# Altium PCB LimeSDR-X3_1v2.PcbDoc (part 12 of 25) (continued)
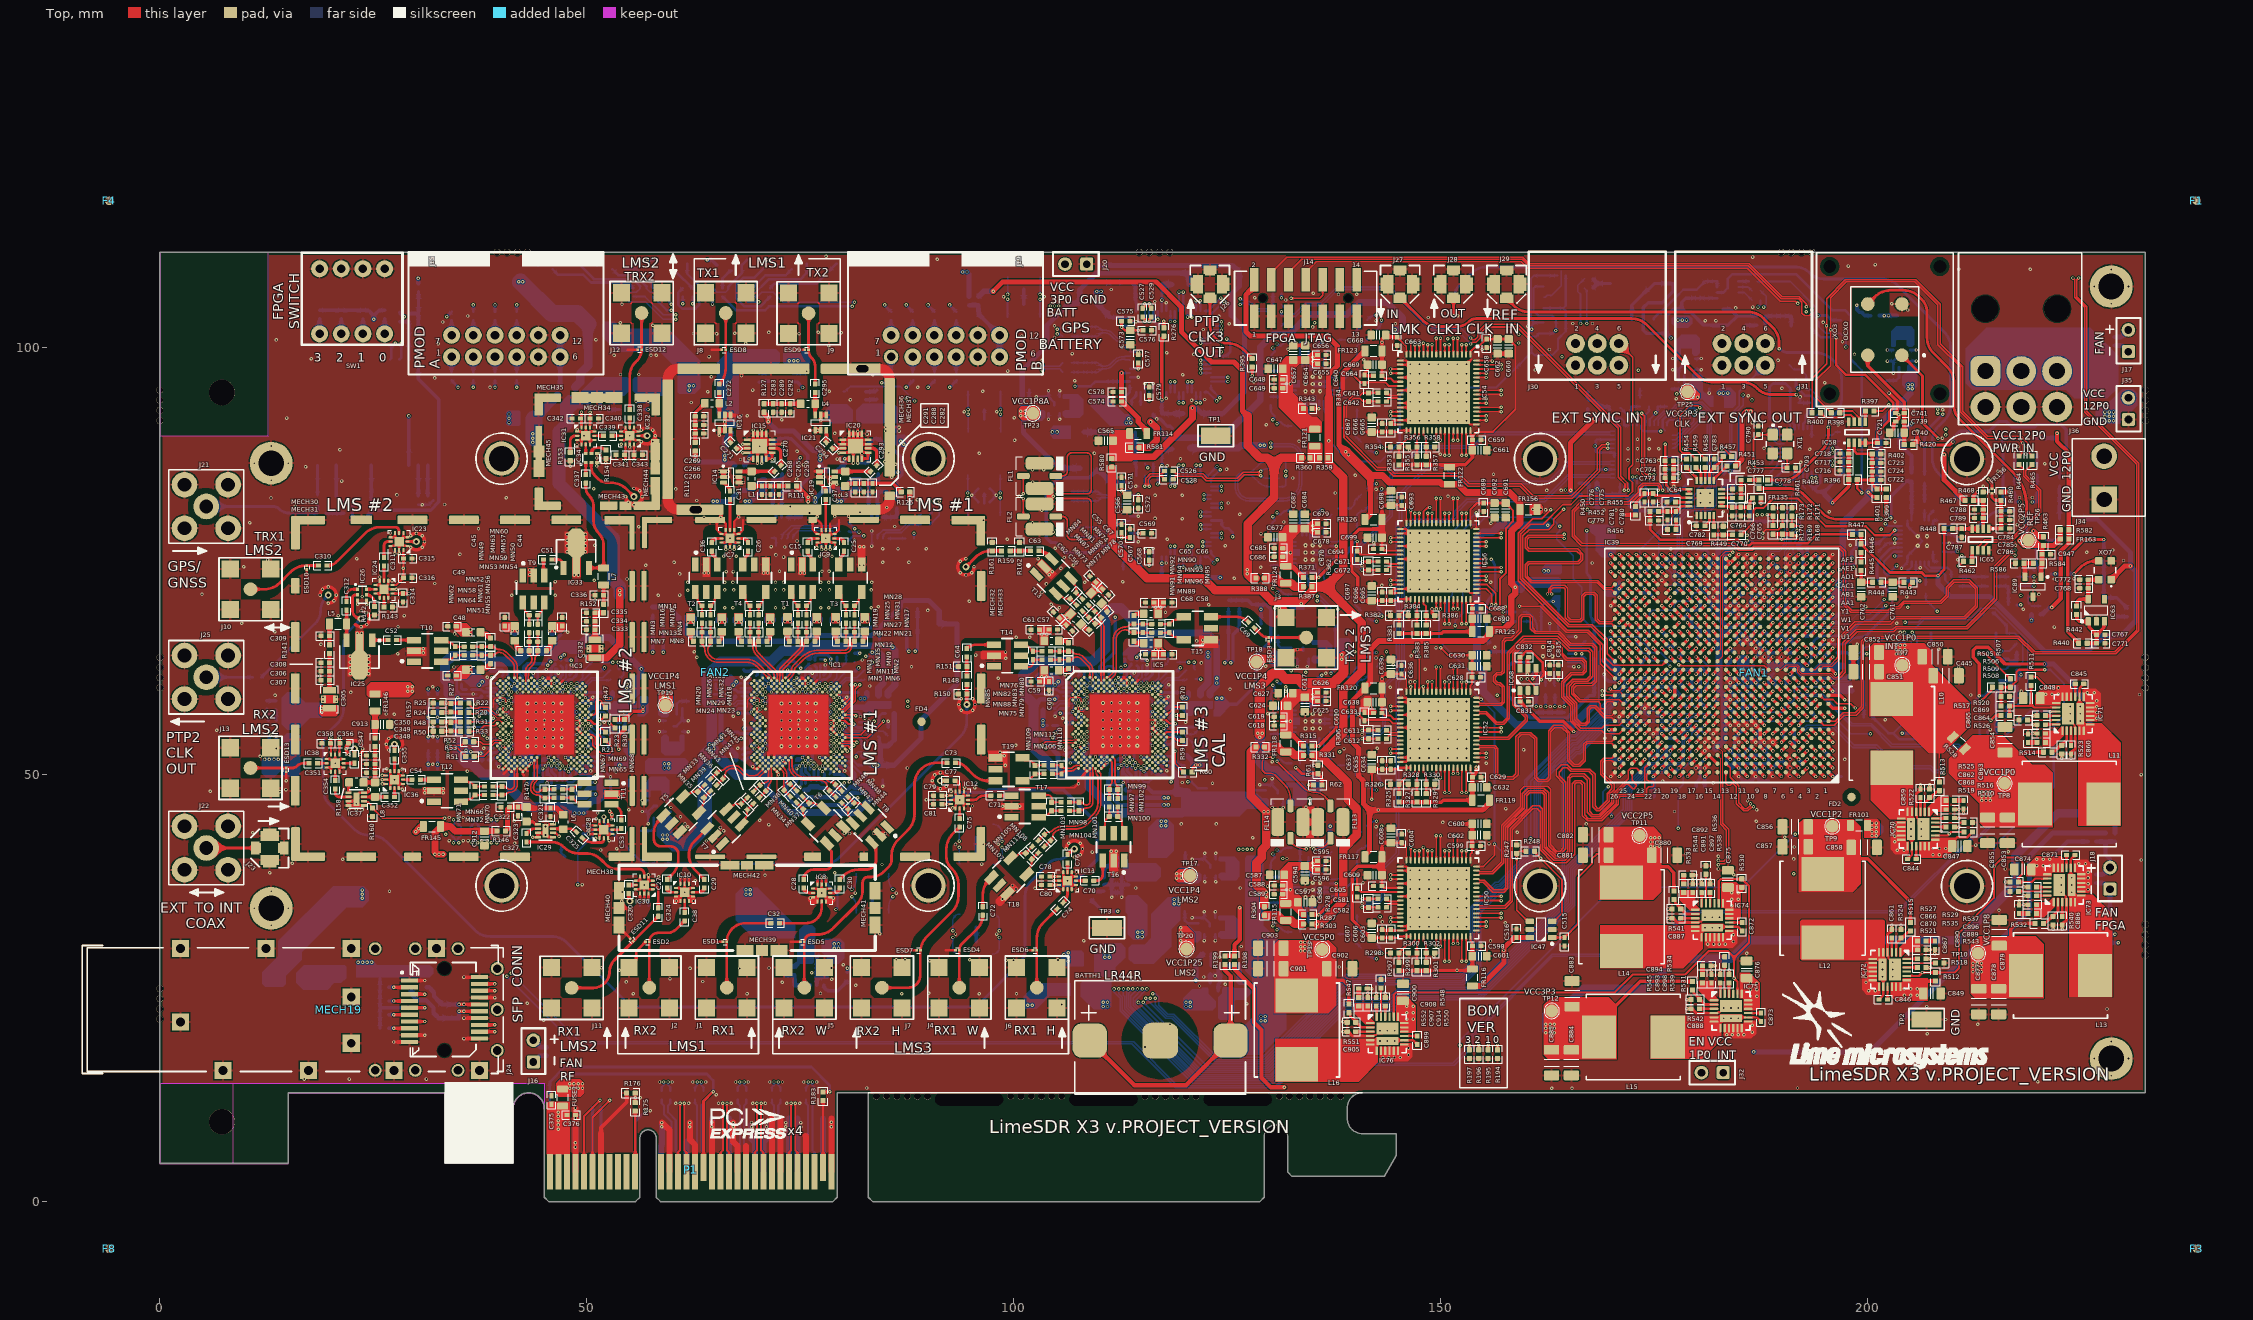
[diagram p0: Top view]
## Nets (pads, with @x,y where several pads share a name; then routed paths per layer and width w, separated by ;. In a path a pad name is that pad's centre, name@x,y a point inside that pad or via, vN(x,y) a via of type N, cw(c..) or ccw(c..) an arc to the next point about the centre after c; other vN are vias at no path point) (continued)
  L3 w0.1: v1(157.05,55) 157.079,55 157.229,55.15 158.383,55.15 158.7,55.467 158.7,56.558 157.883,57.375 155.217,57.375 154.884,57.041 154.484,57.041 154.275,57.25 154.275,57.949 153.6,58.624 153.6,59.225 153.75,59.375 154.775,59.375 155.125,59.025 155.125,58.626 155.576,58.175 156.975,58.175 157.375,58.575 157.967,58.575 159.667,56.875 160.3,56.875 160.575,57.15 165.008,57.15 165.875,58.017 165.875,59.25 166.1,59.475 166.475,59.475 166.675,59.275 166.675,57.867 166.967,57.575 168.594,57.575 169.194,58.175 174.475,58.175 v1(174.875,57.775)
LMS2_BB_ADC2_CLKOUT_P: IC39.K21 IC52.57 | length 40.5
  Top w0.2: IC52.57@154.15,55.5 v1(157.05,55.5)
  Top w0.4: v1(174.875,58.775) IC39.K21@175.375,59.275
  L3 w0.1: v1(157.05,55.5) 157.079,55.5 157.229,55.35 158.3,55.35 158.5,55.55 158.5,56.475 157.8,57.175 155.3,57.175 154.966,56.841 154.401,56.841 154.075,57.167 154.075,57.866 153.4,58.541 153.4,59.308 153.667,59.575 154.858,59.575 155.325,59.108 155.325,58.709 155.659,58.375 156.892,58.375 157.292,58.775 158.05,58.775 159.75,57.075 160.217,57.075 160.492,57.35 164.925,57.35 165.675,58.1 165.675,59.333 166.017,59.675 166.558,59.675 166.875,59.358 166.875,57.95 167.05,57.775 168.512,57.775 169.112,58.375 174.475,58.375 v1(174.875,58.775)
LMS2_BB_ADC2_CTRL1: IC52.35 R325.1 R326.2 | length 4.1
  Top w0.24: R325.1@145.075,47.775 R326.2@145.075,48.875 146,49.8 146.425,49.8 146.95,50.325 IC52.35@146.95,50.8
LMS2_BB_ADC2_CTRL2: IC52.36 R327.1 R328.2 | length 3.1
  Top w0.24: R327.1@147.175,47.775 R328.2@147.175,48.875 147.175,49.975 147.45,50.25 IC52.36@147.45,50.8
LMS2_BB_ADC2_CTRL3: IC52.37 R329.1 R330.2 | length 3.2
  Top w0.24: IC52.37@147.95,50.8 147.95,50.275 148.275,49.95 R330.2@148.275,48.875 R329.1@148.275,47.775
LMS2_BB_ADC2_DA0_N: IC39.D25 IC52.40 | length 41.2
  Top w0.2: v1(149.45,49.65) IC52.40@149.45,50.8
  Top w0.4: v1(170.875,52.775) IC39.D25@171.375,53.275
  L3 w0.1: v1(149.45,49.65) 149.45,49.621 149.6,49.471 149.6,49.316 149.084,48.8 147.692,48.8 145.892,48.8 145.25,48.158 145.25,45.842 146.492,44.6 147.908,44.6 148.25,44.942 148.25,46.317 150.833,48.9 153.533,48.9 154.883,47.55 159.592,47.55 164.142,52.1 169.149,52.1 170.224,53.175 170.475,53.175 v1(170.875,52.775)
LMS2_BB_ADC2_DA0_P: IC39.E25 IC52.41 | length 40.8
  Top w0.2: v1(149.95,49.65) IC52.41@149.95,50.8
  Top w0.4: v1(170.875,53.775) IC39.E25@171.375,54.275
  L3 w0.1: v1(149.95,49.65) 149.95,49.621 149.8,49.471 149.8,49.233 149.167,48.6 147.775,48.6 145.975,48.6 145.45,48.075 145.45,45.925 146.575,44.8 147.825,44.8 148.05,45.025 148.05,46.4 150.75,49.1 153.616,49.1 154.966,47.75 159.509,47.75 164.059,52.3 169.066,52.3 170.141,53.375 170.475,53.375 v1(170.875,53.775)
LMS2_BB_ADC2_DA1_N: IC39.K17 IC52.42 | length 41.1
  Top w0.2: v1(150.45,47.9) IC52.42@150.45,50.8
  Top w0.4: v1(178.875,58.775) IC39.K17@179.375,59.275
  L3 w0.1: v1(150.45,47.9) 150.45,47.929 150.6,48.079 150.6,48.384 150.916,48.7 151.5,48.7 152.075,48.125 152.075,47.783 152.1,47.758 152.1,47.755 152.305,47.55 152.308,47.55 152.908,46.95 160.625,46.95 165.091,51.416 171.034,51.416 171.325,51.708 171.325,52.003 171.747,52.425 173.02,52.425 173.269,52.674 173.269,52.947 173.659,53.337 173.932,53.337 174.225,53.63 174.225,53.958 174.692,54.425 175.02,54.425 175.225,54.63 175.225,55.017 175.583,55.375 177.97,55.375 178.238,55.643 178.238,55.916 178.647,56.325 178.92,56.325 179.275,56.68 179.275,58.375 v1(178.875,58.775)
LMS2_BB_ADC2_DA1_P: IC39.K16 IC52.43 | length 41.1
  Top w0.2: v1(150.95,47.9) IC52.43@150.95,50.8
  Top w0.4: v1(179.875,58.775) IC39.K16@180.375,59.275
  L3 w0.1: v1(150.95,47.9) 150.95,47.929 150.8,48.079 150.8,48.301 150.999,48.5 151.417,48.5 151.875,48.042 151.875,47.7 151.9,47.675 151.9,47.672 152.222,47.35 152.225,47.35 152.825,46.75 160.708,46.75 165.174,51.216 171.116,51.216 171.525,51.625 171.525,51.92 171.83,52.225 173.103,52.225 173.469,52.591 173.469,52.864 173.742,53.137 174.015,53.137 174.425,53.547 174.425,53.875 174.775,54.225 175.103,54.225 175.425,54.547 175.425,54.934 175.666,55.175 178.053,55.175 178.438,55.56 178.438,55.833 178.73,56.125 179.003,56.125 179.475,56.597 179.475,58.375 v1(179.875,58.775)
LMS2_BB_ADC2_DA2_N: IC39.E23 IC52.44 | length 41
  Top w0.2: v1(151.45,50.125) IC52.44@151.45,50.8
  Top w0.4: v1(172.875,53.775) IC39.E23@173.375,54.275
  L3 w0.1: v1(151.45,50.125) 151.45,50.096 151.6,49.946 151.6,49.642 151.867,49.375 151.942,49.3 153.699,49.3 155.049,47.95 159.426,47.95 159.975,48.499 159.975,49.05 159.45,49.575 155.45,49.575 155.325,49.7 155.325,50.392 155.583,50.65 162.126,50.65 162.8,51.324 162.8,52.208 162.533,52.475 161.775,52.475 161.5,52.75 161.5,53.275 161.8,53.575 162.942,53.575 164.017,52.5 168.983,52.5 170.658,54.175 172.475,54.175 v1(172.875,53.775)
LMS2_BB_ADC2_DA2_P: IC39.F23 IC52.45 | length 40.7
  Top w0.2: v1(151.95,50.125) IC52.45@151.95,50.8
  Top w0.4: v1(172.875,54.775) IC39.F23@173.375,55.275
  L3 w0.1: v1(151.95,50.125) 151.95,50.096 151.8,49.946 151.8,49.725 152.025,49.5 153.781,49.5 155.131,48.15 159.344,48.15 159.775,48.581 159.775,48.967 159.367,49.375 155.367,49.375 155.125,49.617 155.125,50.475 155.5,50.85 155.814,50.85 159.5,50.85 162.044,50.85 162.6,51.406 162.6,52.125 162.45,52.275 161.692,52.275 161.309,52.659 161.3,52.667 161.3,53.358 161.717,53.775 163.025,53.775 164.1,52.7 168.9,52.7 170.575,54.375 172.475,54.375 v1(172.875,54.775)
LMS2_BB_ADC2_DA3_N: IC39.H19 IC52.46 | length 40
  Top w0.2: v1(152.45,47.9) IC52.46@152.45,50.8
  Top w0.4: v1(176.875,56.775) IC39.H19@177.375,57.275
  L3 w0.1: v1(152.45,47.9) 152.45,47.929 152.6,48.079 152.6,48.425 152.875,48.7 153.45,48.7 154.041,48.109 154.041,47.542 154.233,47.35 159.592,47.35 160.459,47.35 161.15,48.041 161.15,48.825 161.525,49.2 162.309,49.2 162.55,49.441 162.55,50.225 162.875,50.55 163.659,50.55 163.85,50.741 163.85,51.525 164.225,51.9 169.66,51.9 170.16,52.4 171.017,52.4 171.275,52.658 171.275,53.008 171.642,53.375 172.97,53.375 173.225,53.63 173.225,54.083 173.542,54.4 173.995,54.4 174.25,54.655 174.25,54.983 174.617,55.35 174.992,55.35 175.275,55.633 175.275,55.9 174.9,56.275 173.75,56.275 173.525,56.5 173.525,57.2 173.7,57.375 175.85,57.375 176.45,56.775 v1(176.875,56.775)
LMS2_BB_ADC2_DA3_P: IC39.J19 IC52.47 | length 39.8
  Top w0.2: v1(152.95,47.9) IC52.47@152.95,50.8
  Top w0.4: v1(176.875,57.775) IC39.J19@177.375,58.275
  L3 w0.1: v1(152.95,47.9) 152.95,47.929 152.8,48.079 152.8,48.342 152.958,48.5 153.367,48.5 153.841,48.026 153.841,47.459 154.15,47.15 155.517,47.15 158.95,47.15 159.758,47.15 160.542,47.15 161.35,47.958 161.35,48.742 161.608,49 162.392,49 162.75,49.358 162.75,50.142 162.958,50.35 163.742,50.35 164.05,50.658 164.05,51.442 164.308,51.7 169.743,51.7 170.243,52.2 171.1,52.2 171.475,52.575 171.475,52.925 171.725,53.175 173.053,53.175 173.425,53.547 173.425,54 173.625,54.2 174.078,54.2 174.45,54.572 174.45,54.675 174.45,54.9 174.7,55.15 175.075,55.15 175.475,55.55 175.475,55.877 175.723,56.125 177.72,56.125 178.525,56.93 178.525,57.62 178.02,58.125 177.225,58.125 v1(176.875,57.775)
LMS2_BB_ADC2_DA4_N: IC39.F24 IC52.50 | length 40.5
  Top w0.2: IC52.50@154.15,52 v1(155.3,52)
  Top w0.4: v1(171.875,54.775) IC39.F24@172.375,55.275
  L3 w0.1: v1(155.3,52) 155.329,52 155.479,52.15 155.996,52.15 157.071,51.075 161.058,51.075 161.45,51.467 161.45,52.058 161.108,52.4 157.575,52.4 157.2,52.775 157.2,53.075 157.5,53.375 160.933,53.375 161.325,53.767 161.325,54.433 161.008,54.75 160.625,54.75 160.45,54.925 160.45,55.234 160.991,55.775 163.675,55.775 163.975,55.475 163.975,53.342 164.267,53.05 164.642,53.05 166.933,53.05 167.175,53.292 167.175,55.675 167.275,55.775 168.1,55.775 168.2,55.675 168.2,53.467 168.517,53.15 169.067,53.15 171.092,55.175 171.475,55.175 v1(171.875,54.775)
LMS2_BB_ADC2_DA4_P: IC39.G24 IC52.51 | length 40.5
  Top w0.2: IC52.51@154.15,52.5 v1(155.3,52.5)
  Top w0.4: v1(171.875,55.775) IC39.G24@172.375,56.275
  L3 w0.1: v1(155.3,52.5) 155.329,52.5 155.479,52.35 155.996,52.35 156.079,52.35 157.154,51.275 160.975,51.275 161.25,51.55 161.25,51.975 161.025,52.2 157.492,52.2 157.209,52.484 157.059,52.634 157,52.692 157,53.158 157.417,53.575 160.85,53.575 161.125,53.85 161.125,54.35 160.925,54.55 160.542,54.55 160.25,54.842 160.25,55.317 160.908,55.975 163.758,55.975 164.175,55.558 164.175,53.425 164.35,53.25 166.85,53.25 166.975,53.375 166.975,55.758 167.192,55.975 168.183,55.975 168.4,55.758 168.4,53.55 168.6,53.35 168.984,53.35 171.009,55.375 171.475,55.375 v1(171.875,55.775)
LMS2_BB_ADC2_DA5_N: IC39.D26 IC52.52 | length 41.1
  Top w0.15: IC52.52@154.15,53 154.413,53 154.538,53.125 156.25,53.125 156.425,52.95 156.425,49.95 156.9,49.475 158.495,49.475 159.025,50.005 159.025,54.3 159.4,54.675 160.425,54.675 160.975,54.125 160.975,49.575 161.4,49.15 162.425,49.15 162.875,49.6 162.875,55.046 163.329,55.5 164.146,55.5 164.825,54.821 164.825,51.625 165.5,50.95 166.25,50.95 166.925,51.625 166.925,53.425 167.15,53.65 170,53.65 IC39.D26@170.375,53.275
LMS2_BB_ADC2_DA5_P: IC39.E26 IC52.53 | length 41.1
  Top w0.15: IC52.53@154.15,53.5 154.413,53.5 154.538,53.375 156.354,53.375 156.675,53.054 156.675,50.054 157.004,49.725 158.391,49.725 158.775,50.109 158.775,54.404 159.296,54.925 160.529,54.925 161.225,54.229 161.225,49.679 161.504,49.4 162.321,49.4 162.625,49.704 162.625,55.15 163.225,55.75 164.25,55.75 165.075,54.925 165.075,51.729 165.604,51.2 166.146,51.2 166.675,51.729 166.675,53.529 167.046,53.9 170,53.9 IC39.E26@170.375,54.275
LMS2_BB_ADC2_DA6_N: IC39.F25 IC52.54 | length 41.4
  Top w0.15: IC52.54@154.15,54 154.413,54 154.538,54.125 157.929,54.125 160.1,56.296 160.1,56.825 158.65,58.275 158.65,64.096 159.929,65.375 163.271,65.375 163.949,64.697 163.949,64.126 164.7,63.375 166.496,63.375 166.775,63.096 166.775,62.204 166.521,61.95 165.221,61.95 164.125,60.854 164.125,59.071 165.175,58.021 165.175,56.221 166.246,55.15 168.825,55.15 169.2,54.775 170.875,54.775 IC39.F25@171.375,55.275
LMS2_BB_ADC2_DA6_P: IC39.G25 IC52.55 | length 41.4
  Top w0.15: IC52.55@154.15,54.5 154.413,54.5 154.538,54.375 157.825,54.375 159.85,56.4 159.85,56.721 158.4,58.171 158.4,64.2 159.825,65.625 163.375,65.625 164.199,64.801 164.199,64.229 164.804,63.625 166.6,63.625 167.025,63.2 167.025,62.1 166.625,61.7 165.325,61.7 164.375,60.75 164.375,59.175 165.425,58.125 165.425,56.325 166.35,55.4 168.825,55.4 169.2,55.775 170.875,55.775 IC39.G25@171.375,56.275
LMS2_BB_ADC2_DB0_N: IC39.G26 IC52.60 | length 40.8
  Top w0.15: IC52.60@154.15,57 154.413,57 154.538,57.125 155.225,57.125 156.45,55.9 157.325,55.9 158,56.575 158,64.171 159.754,65.925 163.571,65.925 164.971,64.525 167.271,64.525 167.5,64.296 167.5,61.6 167.075,61.175 165.45,61.175 164.75,60.475 164.75,59.154 165.675,58.229 165.675,56.429 166.325,55.779 166.982,55.779 167.375,56.171 167.375,57.583 167.596,57.804 167.996,57.804 169.15,56.65 170,56.65 IC39.G26@170.375,56.275
LMS2_BB_ADC2_DB0_P: IC39.H26 IC52.61 | length 40.8
  Top w0.15: IC52.61@154.15,57.5 154.413,57.5 154.538,57.375 155.329,57.375 156.554,56.15 157.221,56.15 157.75,56.679 157.75,64.275 159.65,66.175 163.675,66.175 165.075,64.775 167.375,64.775 167.75,64.4 167.75,61.496 167.179,60.925 165.554,60.925 165,60.371 165,59.257 165.925,58.332 165.925,56.532 166.429,56.029 166.879,56.029 167.125,56.275 167.125,57.687 167.492,58.054 168.099,58.054 169.254,56.9 170,56.9 IC39.H26@170.375,57.275
LMS2_BB_ADC2_DB1_N: IC39.J26 IC52.62 | length 41.2
  Top w0.15: IC52.62@154.15,58 154.413,58 154.538,58.125 154.75,58.125 157.079,58.125 157.4,58.446 157.4,60.304 156.954,60.75 156.625,60.75 156.35,61.025 156.35,61.421 156.618,61.689 157.081,61.689 157.4,62.008 157.4,65.521 157.629,65.75 158.329,65.75 159.375,66.796 159.375,68.325 159.575,68.525 160.29,68.525 160.475,68.34 160.475,67.064 161.014,66.525 163.721,66.525 165.096,65.15 167.671,65.15 168,64.821 168,61.05 167.625,60.675 165.746,60.675 165.3,60.229 165.3,59.446 166.221,58.525 168.45,58.525 168.65,58.325 168.65,57.875 168.8,57.725 169.15,57.725 169.3,57.875 169.3,58.325 169.5,58.525 170.112,58.525 170.362,58.275 IC39.J26@170.375,58.275
LMS2_BB_ADC2_DB1_P: IC39.J25 IC52.63 | length 41.1
  Top w0.15: IC52.63@154.15,58.5 154.413,58.5 154.538,58.375 154.854,58.375 156.975,58.375 157.15,58.55 157.15,60.2 156.85,60.5 156.521,60.5 156.1,60.921 156.1,61.525 156.514,61.939 156.978,61.939 ; 156.989,61.95 157.15,62.111 157.15,65.625 157.525,66 158.225,66 159.125,66.9 159.125,68.429 159.471,68.775 160.393,68.775 160.725,68.443 160.725,67.167 161.117,66.775 163.825,66.775 165.2,65.4 167.775,65.4 168.25,64.925 168.25,60.947 167.728,60.425 165.85,60.425 165.55,60.125 165.55,59.55 166.325,58.775 170.875,58.775 IC39.J25@171.375,58.275
LMS2_BB_ADC2_DB2_N: IC39.H24 IC52.2 | length 40.7
  Top w0.2: IC52.2@152.95,59.7 v1(152.95,60.85)
  Top w0.4: v1(171.875,56.775) IC39.H24@172.375,57.275
  L3 w0.1: v1(152.95,60.85) 152.95,60.879 152.8,61.029 152.8,61.975 152.975,62.15 153.444,62.15 153.663,61.931 153.663,61.187 154.225,60.625 154.225,60.2 154.025,60 151.542,60 151.225,59.683 151.225,57.142 151.592,56.775 152.1,56.775 152.525,57.2 152.525,57.75 152.7,57.925 153.45,57.925 153.675,57.7 153.675,55.825 154.234,55.266 154.849,55.266 155.2,55.617 155.2,56.417 155.558,56.775 156.475,56.775 156.625,56.625 156.625,56.075 156.05,55.5 156.05,54.967 156.567,54.45 158.534,54.45 160.784,56.7 165.683,56.7 166.158,57.175 171.475,57.175 v1(171.875,56.775)
LMS2_BB_ADC2_DB2_P: IC39.J24 IC52.3 | length 41.1
  Top w0.2: IC52.3@152.45,59.7 v1(152.45,60.85)
  Top w0.4: v1(171.875,57.775) IC39.J24@172.375,58.275
  L3 w0.1: v1(152.45,60.85) 152.45,60.879 152.6,61.029 152.6,61.244 152.6,62.058 152.892,62.35 153.526,62.35 153.863,62.013 153.863,61.27 154.425,60.708 154.425,60.117 154.108,59.8 151.625,59.8 151.425,59.6 151.425,57.225 151.675,56.975 152.017,56.975 152.325,57.283 152.325,57.833 152.617,58.125 153.533,58.125 153.875,57.783 153.875,55.908 154.316,55.466 154.766,55.466 155,55.7 155,56.5 155.475,56.975 156.558,56.975 156.825,56.708 156.825,55.992 156.25,55.417 156.25,55.05 156.65,54.65 158.451,54.65 160.701,56.9 161.275,56.9 165.6,56.9 166.075,57.375 171.475,57.375 v1(171.875,57.775)
LMS2_BB_ADC2_DB3_N: IC39.H18 IC52.4 | length 40.7
  Top w0.2: IC52.4@151.95,59.7 v1(151.95,62.6)
  Top w0.4: v1(177.875,56.775) IC39.H18@178.375,57.275
  L3 w0.1: v1(151.95,62.6) 151.95,62.629 151.8,62.779 151.8,63.358 151.05,64.108 151.05,64.542 151.458,64.95 151.775,64.95 156.8,59.925 164.549,59.925 165.399,60.775 166.675,60.775 167.25,60.2 167.808,60.2 168.383,60.775 170.05,60.775 170.625,60.2 177.05,60.2 177.325,59.925 177.325,59.575 177.075,59.325 176.647,59.325 176.225,58.903 176.225,57.592 176.642,57.175 177.475,57.175 v1(177.875,56.775)
LMS2_BB_ADC2_DB3_P: IC39.J18 IC52.5 | length 41
  Top w0.2: IC52.5@151.45,59.7 v1(151.45,62.6)
  Top w0.4: v1(177.875,57.775) IC39.J18@178.375,58.275
  L3 w0.1: v1(151.45,62.6) 151.45,62.629 151.6,62.779 151.6,63.133 151.6,63.275 150.85,64.025 150.85,64.625 151.375,65.15 151.858,65.15 156.883,60.125 164.466,60.125 165.316,60.975 166.758,60.975 167.333,60.4 167.725,60.4 168.3,60.975 170.133,60.975 170.708,60.4 177.133,60.4 177.525,60.008 177.525,59.492 177.158,59.125 176.73,59.125 176.425,58.82 176.425,57.675 176.725,57.375 177.475,57.375 v1(177.875,57.775)
LMS2_BB_ADC2_DB4_N: IC39.J20 IC52.6 | length 39.9
  Top w0.2: IC52.6@150.95,59.7 v1(150.95,60.85)
  Top w0.4: v1(175.875,58.775) IC39.J20@176.375,58.275
  L3 w0.1: v1(150.95,60.85) 150.95,60.879 150.8,61.029 150.8,61.342 151.433,61.975 152.125,61.975 153.05,62.9 153.259,62.9 154.063,62.096 154.063,61.437 154.6,60.9 155.25,60.9 155.525,60.625 155.525,58.975 155.925,58.575 156.704,58.575 157.654,59.525 157.942,59.525 158.492,58.975 159.05,58.975 159.6,59.525 159.942,59.525 160.451,59.016 161.016,59.016 161.525,59.525 161.842,59.525 162.392,58.975 162.9,58.975 163.45,59.525 164.075,59.525 164.308,59.292 164.308,58.634 164.617,58.325 165.075,58.325 165.45,58.7 165.45,60.225 165.6,60.375 166.4,60.375 167.075,59.7 167.075,58.9 167.4,58.575 168.158,58.575 168.45,58.867 168.45,60.075 168.675,60.3 168.925,60.3 169.275,59.95 169.275,58.992 169.667,58.6 169.775,58.6 170.408,58.6 170.983,59.175 175.475,59.175 v1(175.875,58.775)
LMS2_BB_ADC2_DB4_P: IC39.K20 IC52.7 | length 40.3
  Top w0.2: IC52.7@150.45,59.7 v1(150.45,60.85)
  Top w0.4: v1(175.875,59.775) IC39.K20@176.375,59.275
  L3 w0.1: v1(150.45,60.85) 150.45,60.879 150.6,61.029 150.6,61.425 151.35,62.175 151.516,62.175 152.042,62.175 152.967,63.1 153.342,63.1 154.263,62.179 154.263,61.52 154.683,61.1 155.333,61.1 155.725,60.708 155.725,59.058 156.008,58.775 156.621,58.775 157.571,59.725 158.025,59.725 158.575,59.175 158.967,59.175 159.517,59.725 160.025,59.725 160.534,59.216 160.934,59.216 161.442,59.725 161.925,59.725 162.475,59.175 162.817,59.175 163.367,59.725 164.158,59.725 164.508,59.375 164.508,58.717 164.7,58.525 164.992,58.525 165.25,58.783 165.25,60.308 165.517,60.575 166.483,60.575 167.275,59.783 167.275,58.983 167.483,58.775 168.075,58.775 168.25,58.95 168.25,60.158 168.592,60.5 169.008,60.5 169.475,60.033 169.475,59.075 169.75,58.8 170.325,58.8 170.9,59.375 175.475,59.375 v1(175.875,59.775)
LMS2_BB_ADC2_DB5_N: IC39.F22 IC52.8 | length 40.4
  Top w0.2: IC52.8@149.95,59.7 v1(149.95,62.6)
  Top w0.4: v1(173.875,54.775) IC39.F22@174.375,55.275
  L3 w0.1: v1(149.95,62.6) 149.95,62.629 149.8,62.779 149.8,63.475 149.95,63.625 150.625,63.625 150.825,63.425 150.825,62.258 149.625,61.058 149.3,60.733 149.3,60.1 149.625,59.775 150.15,59.25 150.15,56.142 150.542,55.75 153.075,55.75 154.85,53.975 158.625,53.975 160.825,56.175 171.975,56.175 172.25,55.9 172.25,55.409 172.484,55.175 173.475,55.175 v1(173.875,54.775)
LMS2_BB_ADC2_DB5_P: IC39.G22 IC52.9 | length 40.7
  Top w0.2: IC52.9@149.45,59.7 v1(149.45,62.6)
  Top w0.4: v1(173.875,55.775) IC39.G22@174.375,56.275
  L3 w0.1: v1(149.45,62.6) 149.45,62.629 149.6,62.779 149.6,63.25 149.6,63.558 149.867,63.825 150.708,63.825 151.025,63.508 151.025,63.233 151.025,62.175 149.5,60.65 149.5,60.183 150.35,59.333 150.35,56.225 150.625,55.95 153.158,55.95 153.7,55.408 154.933,54.175 158.542,54.175 160.742,56.375 172.058,56.375 172.45,55.983 172.45,55.492 172.567,55.375 173.475,55.375 v1(173.875,55.775)
LMS2_BB_ADC2_DB6_N: IC39.L18 IC52.10 | length 39.7
  Top w0.2: IC52.10@148.95,59.7 v1(148.95,60.85)
  Top w0.4: IC39.L18@178.375,60.275 v1(178.875,59.775)
  L3 w0.1: v1(148.95,60.85) 148.95,60.879 148.8,61.029 148.8,65.175 148.975,65.35 151.975,65.35 156.975,60.35 164.408,60.35 165.233,61.175 178.075,61.175 178.475,60.775 178.475,60.175 v1(178.875,59.775)
LMS2_BB_ADC2_DB6_P: IC39.L17 IC52.11 | length 39.8
  Top w0.2: IC52.11@148.45,59.7 v1(148.45,60.85)
  Top w0.4: v1(178.875,60.775) IC39.L17@179.375,60.275
  L3 w0.1: v1(148.45,60.85) 148.45,60.879 148.6,61.029 148.6,62.875 148.6,65.258 148.892,65.55 152.058,65.55 157.058,60.55 164.325,60.55 165.15,61.375 178,61.375 178.15,61.525 178.63,61.525 178.875,61.28 v1(178.875,60.775)
LMS2_BB_ADC2_INA_N: IC52.30 R310.1 | length 12
  Top w0.2: v1(144.1,52.5) IC52.30@145.25,52.5
  L3 w0.1: v1(142.45,48.2) 142.075,48.575 cw(c142.437,48.937) 141.925,48.937 ccw(c141.33,48.937) 141.751,49.358 141.577,49.531 cw(c142.186,50.14) 141.325,50.14 141.325,50.675 cw(c141.9,50.675) 141.9,51.25 144.875,51.25 ccw(c144.875,51.8) 145.425,51.8 145.425,52.25 ccw(c145.025,52.25) 145.025,52.65 144.462,52.65 ccw(c144.462,52.279) 144.2,52.541 cw(c144.1,52.641) v1(144.1,52.5)
  Bottom w0.254: R310.1@141.372,48.747 141.543,48.576 ccw(c142.45,49.483) v1(142.45,48.2)
LMS2_BB_ADC2_INA_P: IC52.29 R314.1 | length 12.2
  Top w0.2: v1(144.1,53) IC52.29@145.25,53
  L3 w0.1: v1(143.05,48.8) 142.675,49.175 ccw(c142.313,48.813) 142.313,49.325 cw(c142.313,49.92) 141.892,49.499 141.72,49.671 cw(c142.191,50.142) 141.525,50.142 141.525,50.675 cw(c141.9,50.675) 141.9,51.05 144.875,51.05 ccw(c144.875,51.8) 145.625,51.8 145.625,52.25 ccw(c145.025,52.25) 145.025,52.85 144.462,52.85 cw(c144.462,53.221) 144.2,52.959 ccw(c144.1,52.859) v1(144.1,53)
  Bottom w0.254: R314.1@142.503,49.878 142.674,49.707 cw(c141.767,48.8) v1(143.05,48.8)
LMS2_BB_ADC2_INB_N: IC52.20 R320.1 | length 12
  Top w0.2: v1(144.1,57.5) IC52.20@145.25,57.5
  L3 w0.1: v1(143.05,63.7) 142.675,63.325 cw(c142.313,63.687) 142.313,63.175 ccw(c142.313,62.58) 141.892,63.001 ccw(c142.235,62.658) 141.75,62.658 141.75,61.903 ccw(c143.628,61.903) 142.301,60.574 142.903,59.972 ccw(c144.161,61.23) 144.157,59.451 144.425,59.45 cw(c144.425,58.7) 145.175,58.7 145.175,58.25 cw(c144.575,58.25) 144.575,57.65 144.462,57.65 ccw(c144.462,57.279) 144.2,57.541 cw(c144.1,57.641) v1(144.1,57.5) ; 144.221,59.45 ccw(c144.225,61.381) 144.225,59.45
  Bottom w0.254: R320.1@142.503,62.622 142.674,62.793 ccw(c141.767,63.7) v1(143.05,63.7)
LMS2_BB_ADC2_INB_P: IC52.19 R324.1 | length 11.9
  Top w0.2: v1(144.1,58) IC52.19@145.25,58
  L3 w0.1: v1(142.45,64.3) 142.075,63.925 ccw(c142.437,63.563) 141.925,63.563 cw(c141.33,63.563) 141.751,63.142 ccw(c142.235,62.658) 141.55,62.658 141.55,61.901 ccw(c143.623,61.901) 142.157,60.435 142.776,59.816 ccw(c144.142,61.181) 144.139,59.25 ccw(c144.142,61.181) 144.142,59.25 ; v1(144.1,58) cw(c144.1,57.859) 144.2,57.959 ccw(c144.462,58.221) 144.462,57.85 144.575,57.85 ccw(c144.575,58.25) 144.975,58.25 144.975,58.7 ccw(c144.425,58.7) 144.425,59.25 144.142,59.25 ; 144.225,59.25 144.142,59.25
  Bottom w0.254: R324.1@141.372,63.753 141.543,63.924 cw(c142.45,63.017) v1(142.45,64.3)
LMS2_BB_ADC2_VCM: C610.2 C613.1 C620.1 IC52.23 IC53.11 IC53.17 | length 19.5
  Top w0.24: v1(140.324,57.049) 140.948,56.425 143.925,56.425 144.35,56 IC52.23@145.25,56
  Top w0.254: C610.2@140.95,56.4 C610.2@141.05,56.3
  L3 w0.5: v1@136.025,61.625 136.025,61.348 v1(140.324,57.049)
  Bottom w0.254: C620.1@135.55,61.175 135.55,59.325 135.75,59.125 IC53.11@135.75,58.25 ; IC53.17@137,55.5 137.925,55.5 C613.1@138.325,55.9 139.474,57.049 v1(140.324,57.049)
  Bottom w0.4: C620.1@135.55,61.175 v1(136.025,61.65)
LMS2_BB_DAC1_B0_N: IC39.M1 IC48.9 | length 124.5
  Top w0.4: IC39.M1@195.375,61.275 v1(195.875,60.775)
  L4 w0.1: v1(118.328,76.728) 118.328,76.787 118.478,76.937 118.478,80.761 123.025,85.308 123.025,86.15 123.528,86.653 129.297,86.653 131.65,84.3 134.574,84.3 137.95,80.924 137.95,80.049 139.449,78.55 141.583,78.55 144.483,75.65 152.1,75.65 152.4,75.95 152.4,78.549 152.751,78.9 152.9,78.9 157.263,78.9 159.613,76.55 166.241,76.55 168.041,78.35 172.376,78.35 172.701,78.675 185.125,78.675 185.65,79.2 197.85,79.2 198.625,78.425 199.899,78.425 201.475,76.849 201.475,73.633 202.85,72.258 202.85,71.025 203.15,70.725 203.15,69.367 201.475,67.692 201.475,63.35 199.3,61.175 196.275,61.175 v1(195.875,60.775)
  Bottom w0.254: IC48.9@118.328,75.503 v1(118.328,76.728)
LMS2_BB_DAC1_B0_P: IC39.N1 IC48.8 | length 123.5
  Top w0.4: IC39.N1@195.375,62.275 195.744,62.275 v1@196.197,61.822
  L4 w0.1: v1(118.828,76.728) 118.828,76.787 118.678,76.937 118.678,80.678 121.65,83.65 123.225,85.225 123.225,86.067 123.611,86.453 126.916,86.453 129.214,86.453 131.567,84.1 134.491,84.1 137.75,80.841 137.75,79.966 139.366,78.35 141.5,78.35 144.4,75.45 152.183,75.45 152.6,75.867 152.6,78.466 152.834,78.7 152.983,78.7 157.18,78.7 159.53,76.35 166.324,76.35 168.124,78.15 172.459,78.15 172.784,78.475 185.208,78.475 185.733,79 197.767,79 198.542,78.225 199.816,78.225 201.275,76.766 201.275,73.55 202.65,72.175 202.65,70.942 202.95,70.642 202.95,69.45 201.275,67.775 201.275,63.433 199.217,61.375 196.625,61.375 v1(196.2,61.8)
  Bottom w0.254: IC48.8@118.828,75.503 v1(118.828,76.728)
LMS2_BB_DAC1_B1_N: IC39.R6 IC48.7 | length 124.4
  Top w0.4: IC39.R6@190.375,64.275 v1(190.875,64.775)
  L4 w0.1: v1(119.328,74.278) 119.328,74.337 119.478,74.487 119.478,74.814 119.142,75.15 117.106,75.15 116.683,74.727 116.683,74.183 116.3,73.8 115.375,73.8 114.975,74.2 114.975,75.325 115.7,76.05 116.525,76.05 116.825,76.35 119.6,76.35 120.325,75.625 122.875,75.625 123.675,76.425 127.683,76.425 128.225,75.883 128.225,72.225 127.25,71.25 119,71.25 118.55,70.8 118.55,69.686 119.586,68.65 123.219,68.65 124.069,67.8 131.186,67.8 131.986,67 141.444,67 141.719,66.725 141.78,66.725 143.311,66.725 143.636,67.05 162.533,67.05 163.033,66.55 163.5,66.55 163.6,66.65 163.6,67.783 163.967,68.15 165.308,68.15 165.625,67.833 165.625,66.9 165.825,66.7 166.7,66.7 166.784,66.784 166.784,67.523 169.661,70.4 182.758,70.4 183.35,69.808 183.35,69.475 183.5,69.325 185.103,69.325 185.425,69.003 185.425,68.591 185.641,68.375 185.97,68.375 186.259,68.664 186.259,68.963 186.621,69.325 187.103,69.325 187.425,69.003 187.425,68.616 187.641,68.4 188,68.4 188.08,68.48 188.08,68.485 188.225,68.63 188.225,68.983 188.567,69.325 190.103,69.325 190.475,68.953 190.475,65.175 v1(190.875,64.775)
  Bottom w0.254: v1(119.328,74.278) IC48.7@119.328,75.503
LMS2_BB_DAC1_B1_P: IC39.R7 IC48.6 | length 123.7
  Top w0.4: IC39.R7@189.375,64.275 v1(189.875,64.775)
  L4 w0.1: v1(119.828,74.278) 119.828,74.337 119.678,74.487 119.678,74.897 119.225,75.35 117.023,75.35 116.965,75.291 116.483,74.81 116.483,74.266 116.217,74 115.458,74 115.175,74.283 115.175,75.242 115.783,75.85 116.608,75.85 116.908,76.15 119.517,76.15 120.242,75.425 122.958,75.425 123.758,76.225 127.6,76.225 128.025,75.8 128.025,72.308 127.167,71.45 118.917,71.45 118.35,70.883 118.35,69.603 119.503,68.45 123.136,68.45 123.986,67.6 131.103,67.6 131.903,66.8 141.361,66.8 141.636,66.525 141.697,66.525 143.394,66.525 143.719,66.85 162.45,66.85 162.95,66.35 163.583,66.35 163.8,66.567 163.8,67.7 164.05,67.95 165.225,67.95 165.425,67.75 165.425,66.817 165.742,66.5 166.783,66.5 166.984,66.701 166.984,67.44 169.744,70.2 182.675,70.2 183.15,69.725 183.15,69.392 183.417,69.125 185.02,69.125 185.225,68.92 185.225,68.508 185.558,68.175 186.053,68.175 186.459,68.581 186.459,68.881 186.703,69.125 187.02,69.125 187.225,68.92 187.225,68.533 187.558,68.2 188.083,68.2 188.425,68.542 188.425,68.9 188.65,69.125 190.02,69.125 190.275,68.87 190.275,65.175 v1(189.875,64.775)
  Bottom w0.254: v1(119.828,74.278) IC48.6@119.828,75.503
LMS2_BB_DAC1_B2_N: IC39.L7 IC48.5 | length 124.7
  Top w0.4: IC39.L7@189.375,60.275 v1(189.875,59.775)
  L4 w0.1: v1(120.328,76.728) 120.328,76.787 120.478,76.937 120.478,82.161 122.62,84.303 130.133,84.303 131.136,83.3 132.8,83.3 139.525,76.575 141.339,76.575 145.614,72.3 147.667,72.3 148,72.633 148,73.049 148.401,73.45 153.292,73.45 154.234,74.391 154.234,75.391 154.642,75.8 154.817,75.975 156.2,75.975 157.614,74.561 160.128,74.561 160.992,75.425 166.45,75.425 168.55,77.525 173.075,77.525 173.425,77.875 184.783,77.875 185.133,77.525 185.933,76.725 194.725,76.725 195.425,77.425 199.35,77.425 200.5,76.275 200.5,73.108 200.9,72.708 200.9,71.05 201.55,70.4 201.55,68.961 200.575,67.986 200.575,64.042 199.083,62.55 198.375,62.55 194.083,62.55 192.5,60.967 192.5,60.517 192.158,60.175 190.275,60.175 v1(189.875,59.775)
  Bottom w0.254: IC48.5@120.328,75.503 v1(120.328,76.728)
LMS2_BB_DAC1_B2_P: IC39.M7 IC48.4 | length 123.7
  Top w0.4: IC39.M7@189.375,61.275 v1(189.875,60.775)
  L4 w0.1: v1(120.828,76.728) 120.828,76.787 120.678,76.937 120.678,82.078 122.703,84.103 130.05,84.103 131.053,83.1 132.717,83.1 139.442,76.375 141.256,76.375 145.531,72.1 147.75,72.1 148.2,72.55 148.2,72.966 148.484,73.25 153.375,73.25 154.434,74.309 154.434,75.309 154.9,75.775 156.117,75.775 157.531,74.361 160.211,74.361 161.075,75.225 166.533,75.225 168.633,77.325 173.158,77.325 173.508,77.675 184.7,77.675 185.85,76.525 194.808,76.525 195.508,77.225 199.267,77.225 200.3,76.192 200.3,73.025 200.7,72.625 200.7,70.967 201.35,70.317 201.35,69.044 200.375,68.069 200.375,64.125 199,62.75 194,62.75 192.3,61.05 192.3,60.6 192.075,60.375 190.275,60.375 v1(189.875,60.775)
  Bottom w0.254: IC48.4@120.828,75.503 v1(120.828,76.728)